# KiCad board panel.kicad_pcb (continued)
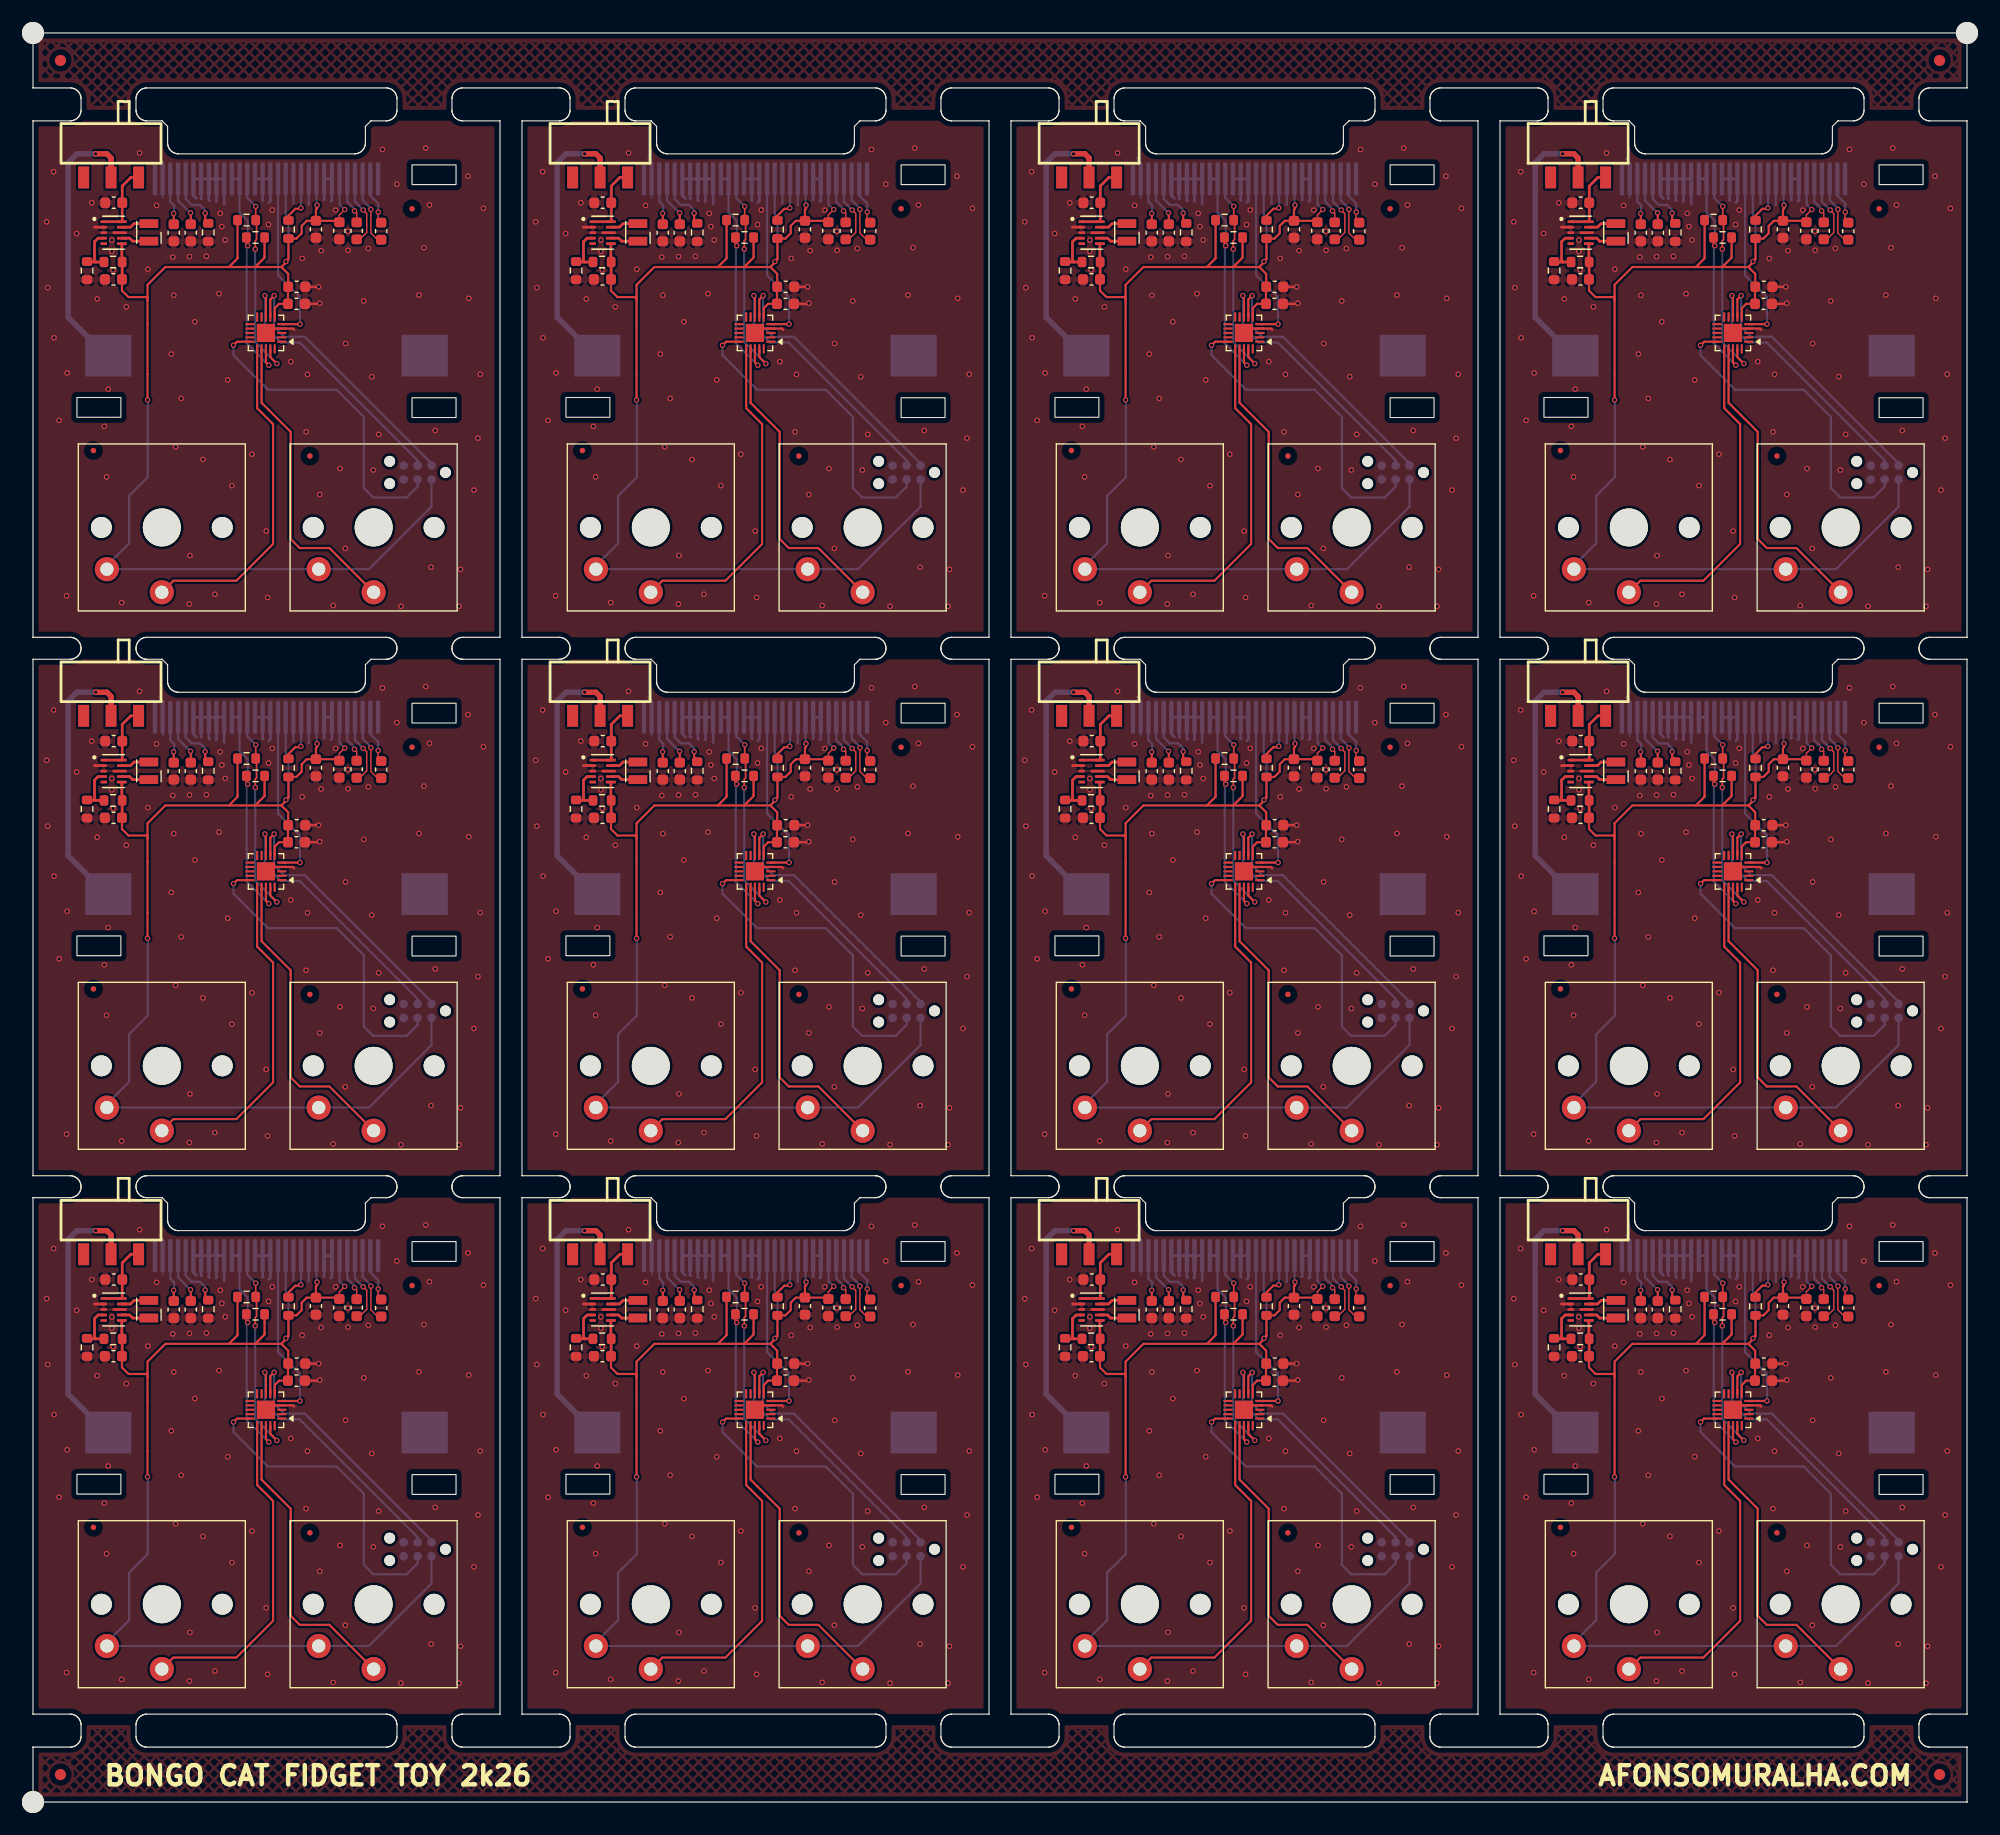
[diagram p0: board, top side]
## Routing (per net, layer and track width the routed paths; a pad name or vN(x,y) marks a point on that pad's centre or on a via; arc(x,y) is an arc through that point) (continued)
Board_7-Net-(BT1-+): length 25.3
  Top w0.5: v1(139.2,101) 140.22,101 140.61,100.62 SW5#10.2
  Bottom w0.5: v1(139.2,101) 137.5,101 136.7,100.2 136.7,86.12 140.19,82.63 BT1#9.1
Board_7-Net-(J1-Pin_2): length 4.3
  Top w0.127: v1(164.92,95.7) 164.9,95.68 164.9,94.73
  Bottom w0.2: J1#7.2 164.2,97.2 164.92,96.48 v1(164.92,95.7)
Board_7-Net-(J1-Pin_3): length 6.4
  Top w0.127: v1(164.25,95.95) 164.25,93.79 164.85,93.19 C9#5.1
  Bottom w0.2: v1(164.25,95.95) 164.25,96.04 163.5,96.79 J1#7.3
Board_7-Net-(J1-Pin_4): length 6.5
  Top w0.127: C8.2 163.25,93.22 163.87,93.84 163.87,95.57 v1(163.55,95.89)
  Bottom w0.2: v1(163.55,95.89) 163.55,95.9 162.8,96.65 J1#7.4
Board_7-Net-(J1-Pin_5): length 4.3
  Top w0.127: v1(162.76,95.81) 162.96,95.61 C8.1
  Bottom w0.2: J1#7.5 162.1,96.65 162.76,95.99 v1(162.76,95.81)
Board_7-Net-(J1-Pin_26): length 5
  Top w0.15: 149.17,94.9 149.15,94.88
  Top w0.2: v1(149.17,95.6) 149.17,94.9
  Bottom w0.2: v1(149.17,95.6) 149.17,95.88 148.7,96.35 147.95,96.35 147.4,96.9 J1#7.26
Board_7-Net-(J1-Pin_27): length 4.6
  Top w0.15: 147.86,95.61 v1(147.84,95.63)
  Top w0.2: C12#6.2 147.86,95.61
  Bottom w0.2: J1#7.27 146.7,96.75 147.82,95.63 v1(147.84,95.63)
Board_7-Net-(J1-Pin_28): length 4.3
  Top w0.15: 146.31,95.57 v1(146.3,95.58)
  Top w0.2: C13#4.2 146.31,95.57
  Bottom w0.2: v1(146.3,95.58) 146.35,95.63 146.35,96.3 146,96.65 J1#7.28
Board_7-Net-(SW5-A): length 6.7
  Top w0.25: SW5#10.3 142.4,98.85 141.62,98.08 C1#9.1 141.62,94.86 U101#11.10 U101#11.1
Board_7-Net-(U101-FB): length 4.4
  Top w0.25: R6#3.2 139.22,91.16 ; 139.22,91.16 138.47,91.16 R4#8.1 ; 139.22,91.16 139.1,91.28 139.1,93 139.43,93.33 U101#11.4
Board_7-Net-(U101-L1): length 2.6
  Top w0.25: L102#9.1 142.7,94.65 142.38,94.33 U101#11.9
Board_7-Net-(U101-L2): length 2.6
  Top w0.25: U101#11.7 142.3,93.33 142.57,93.05 142.57,93.05 L102#9.2
Board_8-3V3: length 120.2
  Top w0.127: 27.88,45.54 C10#8.2 27.88,46.44 v1(28.37,46.93)
  Top w0.2: 22.6,41.7 23.22,41.08 C3#7.1 23.2,39.88 C4#6.1 22.4,38.35 22,37.95 U2#6.6 ; 22.6,41.7 20.22,41.7 ; 22.6,41.7 23.02,42.12 v1(23.02,42.2) 23.25,42.43 R101#8.2 ; C11.2 25.75,46.92 25.85,47.02 v1(25.85,47.33) ; C11.2 25.75,45.89 ; C11.2 27.75,45.91 C10#8.2 ; C11.2 24.92,45.91 24.45,45.44 24.45,44.77 23.97,44.29 R101#8.2 ; 17.83,41.7 20.22,41.7 ; 17.83,41.7 12.05,41.7 10.42,40.08 10.42,38.65 ; 17.83,41.7 18.61,42.49 R13#11.2 ; 20.22,41.7 21.08,42.55 R12#7.2 ; 23.22,44.27 R101#8.2 ; v1(10.42,29.6) 10.42,38.96 8.69,38.96 8.1,39.55 C2#5.1 ; 27.88,45.54 27.79,45.63
  Top w0.25: 8.08,40.58 C2#5.1 8.11,40.59 R6#11.1 8.09,42.18 U101#9.6
  Bottom w0.2: J1#4.9 25.8,47.38 v1(25.85,47.33) ; v1(10.42,29.6) 10.45,29.58 10.45,22.58 8.75,20.88 8.75,16.55 6.72,14.53 SW1#3.2 SW2#2.2 30.57,14.2 36.27,19.9 J4#4.1 ; J1#4.6 27.9,47.4 v1(28.37,46.93) ; v1(23.02,42.2) 23.25,42.43 23.25,45.95 23,46.2 J1#4.13
Board_8-/BS1: length 4.5
  Top w0.2: R101#8.1 23.25,46.38 23.88,47 24.3,47 v1(24.38,47.08)
  Bottom w0.2: J1#4.11 24.4,47.45 24.38,47.43 v1(24.38,47.08)
Board_8-/OLED_RST: length 15.7
  Top w0.2: U2#6.5 v1(24.3,36.5)
  Bottom w0.2: v1(24.3,36.5) 24.3,38.95 22.3,40.95 J1#4.14
Board_8-/RST: length 29.5
  Top w0.2: v1(18.25,34.58) 18.57,34.9 U2#6.15
  Bottom w0.2: J4#4.3 35,21.72 34.01,20.73 30.96,20.73 30.11,21.58 30.11,28.06 27.64,30.53 21.39,30.53 18.25,33.67 v1(18.25,34.58)
Board_8-/SCL: length 19.8
  Top w0.127: v1(20.23,43.33) 20.15,43.41
  Top w0.152: v1(20.27,47.22) 20.27,46.06 20.34,45.98 20.34,44.21 20.23,44.09 v1(20.23,43.33)
  Top w0.2: U2#6.19 21.6,33.5 v1(22.19,32.91)
  Bottom w0.15: 20.2,43.45 20.22,43.43
  Bottom w0.2: v1(22.19,32.91) 20.23,34.87 v1(20.23,43.33) ; J1#4.18 19.5,47.99 v1(20.27,47.22)
Board_8-/SDA: length 21.4
  Top w0.127: 19.55,44.56 19.64,44.65
  Top w0.152: v1(19.54,43.64) 19.42,43.76 R12#7.1
  Top w0.2: v1(21.46,32.76) 21.2,33.02 U2#6.18
  Bottom w0.127: 19.52,43.63 19.5,43.65
  Bottom w0.2: v1(21.46,32.76) 19.45,34.77 19.45,43.55 v1(19.54,43.64) ; v1(19.54,43.64) 19.54,45.91 18.8,46.65 J1#4.19 ; v1(19.54,43.64) 19.54,43.59
  Bottom w0.25: J1#4.20 J1#4.19
Board_8-/SW1: length 30.3
  Top w0.2: U2#6.16 20.4,28.85 21.85,27.4 21.85,16.49 18.51,13.15 12.78,13.15 SW1#3.1
Board_8-/SW2: length 28
  Top w0.2: U2#6.17 20.8,29.35 23.45,26.7 23.45,16.95 24.28,16.13 26.97,16.13 SW2#2.1
Board_8-/SWCLK: length 24.2
  Top w0.2: U2#6.8 21.2,39 v1(21.1,39.1)
  Bottom w0.2: J4#4.4 35,24.1 24.28,34.83 22.58,34.83 21.1,36.3 v1(21.1,39.1)
Board_8-/SWDIO: length 24.6
  Top w0.2: U2#6.7 21.6,38.75 v1(21.95,39.1)
  Bottom w0.2: v1(21.95,39.1) 21.95,36.25 22.85,35.35 24.74,35.35 36.27,23.82 J4#4.2
Board_8-GND: length 38.1
  Top w0.2: v1(26.1,38.4) 26.05,38.35 C4#6.2 ; U2#6.21 21.6,36.1 U2#6.4 23.65,36.1 23.77,35.98 ; C3#7.2 v1(26,39.9)
  Top w0.25: 5.6,45.33 U101#9.2 ; 6.5,40.39 6.58,40.31
  Bottom w0.127: 11.8,48 11.8,51.25 11.45,51.6 ; 28.51,43.22 28.6,43.31
  Bottom w0.2: 25.08,47.35 25.1,47.38 J1#4.10 ; J1#4.12 23.7,47.53 23.67,47.5
  Bottom w0.25: 17.4,47.43 J1#4.21 J1#4.22 ; 27.1,47.68 27.2,47.78 J1#4.7 J1#4.8 26.5,47.83 26.47,47.8 ; 14.88,47.93 14.6,48.2 J1#4.25 J1#4.24 ; 21.45,47.58 21.6,47.73 J1#4.15 J1#4.16 ; J1#4.23 16,47.8 16.08,47.73 ; J1#4.23 J1#4.24 ; J1#4.23 J1#4.22 ; J1#4.17 J1#4.16 ; J1#4.16 20.9,47.8 20.95,47.75 ; J1#4.24 15.3,47.95 15.35,47.9 ; J1#4.22 16.7,47.73 16.65,47.68
  vias: v1(1.25,45.81) v1(1.35,39.82) v1(1.88,50.38) v1(1.92,35.26) v1(2.38,27.74) v1(3.11,32.06) v1(3.06,11.78) v1(3.97,44.75) v1(5.35,47.55) v1(5.85,38.8) v1(6.49,27.2) v1(6.7,22.6) v1(6.85,30.58) v1(7.17,44.15) v1(7.17,43.13) v1(7.3,41.43) v1(8.07,11.16) v1(8.5,38.08) v1(9.7,52.08) v1(10.45,41.5) v1(11.25,47.3) v1(12.59,33.78) v1(12.72,42.6) v1(12.82,39.13) v1(12.99,25.33) v1(13.49,29.74) v1(14.23,11.02) v1(14.25,42.65) v1(14.29,15.44) v1(14.73,36.72) v1(15.47,24.18) v1(15.78,42.68) v1(16.56,11.92) v1(16.93,39.27) v1(17.04,46.58) v1(17.19,45.38) v1(17.49,44.16) v1(17.72,31.43) v1(18.1,21.8) v1(19.92,24.66) v1(21.22,17.67) v1(21.35,11.62) v1(21.44,45.56) v1(21.77,46.89) v1(23.46,33.09) v1(24.5,42.48) v1(24.85,26.7) v1(24.98,31.93) v1(26.1,21) v1(26.22,43.19) v1(27.32,10.89) v1(27.55,46.88) v1(27.94,23.36) v1(28.42,16.09) v1(28.45,34.74) v1(28.65,44.95) v1(28.68,43.22) v1(30.1,38.61) v1(30.52,43.39) v1(30.83,31.72) v1(30.97,23.22) v1(31.46,26.47) v1(31.8,52.4) v1(33.11,49.24) v1(33.49,10.82) v1(35.12,39.15) v1(35.58,43.46) v1(35.74,52.52) v1(36.08,47.35) v1(36.23,14.38) v1(36.61,26.82) v1(38.77,10.82) v1(38.91,14.18) v1(39.58,49.97) v1(39.66,38.85) v1(40.12,21.4) v1(40.5,26.12) v1(40.7,31.94) v1(40.99,47.04)
Board_8-Net-(BT1-+): length 25.3
  Top w0.5: SW5#4.2 7.11,51.62 6.72,52 v1(5.7,52)
  Bottom w0.5: BT1#3.1 6.69,33.63 3.2,37.12 3.2,51.2 4,52 v1(5.7,52)
Board_8-Net-(J1-Pin_2): length 4.3
  Top w0.127: 31.4,45.73 31.4,46.68 v1(31.42,46.7)
  Bottom w0.2: J1#4.2 30.7,48.2 31.42,47.48 v1(31.42,46.7)
Board_8-Net-(J1-Pin_3): length 6.4
  Top w0.127: C9#4.1 31.36,44.19 30.75,44.79 v1(30.75,46.95)
  Bottom w0.2: J1#4.3 30,47.79 30.75,47.04 v1(30.75,46.95)
Board_8-Net-(J1-Pin_4): length 6.5
  Top w0.127: v1(30.05,46.89) 30.37,46.57 30.37,44.84 29.75,44.22 C8#6.2
  Bottom w0.2: v1(30.05,46.89) 30.05,46.9 29.3,47.65 J1#4.4
Board_8-Net-(J1-Pin_5): length 4.3
  Top w0.127: v1(29.26,46.81) 29.46,46.61 C8#6.1
  Bottom w0.2: J1#4.5 28.6,47.65 29.26,46.99 v1(29.26,46.81)
Board_8-Net-(J1-Pin_26): length 5
  Top w0.15: 15.67,45.9 15.65,45.88
  Top w0.2: v1(15.67,46.6) 15.67,45.9
  Bottom w0.2: v1(15.67,46.6) 15.67,46.88 15.2,47.35 14.45,47.35 13.9,47.9 J1#4.26
Board_8-Net-(J1-Pin_27): length 4.6
  Top w0.15: 14.36,46.61 v1(14.34,46.63)
  Top w0.2: C12#10.2 14.36,46.61
  Bottom w0.2: v1(14.34,46.63) 14.32,46.63 13.2,47.75 J1#4.27
Board_8-Net-(J1-Pin_28): length 4.3
  Top w0.15: 12.81,46.57 v1(12.8,46.58)
  Top w0.2: C13#2.2 12.81,46.57
  Bottom w0.2: v1(12.8,46.58) 12.85,46.63 12.85,47.3 12.5,47.65 J1#4.28
Board_8-Net-(SW5-A): length 6.7
  Top w0.25: U101#9.1 U101#9.10 8.12,45.86 C1#10.1 8.12,49.08 8.9,49.85 SW5#4.3
Board_8-Net-(U101-FB): length 4.4
  Top w0.25: 5.72,42.16 5.6,42.28 5.6,44 5.92,44.33 U101#9.4 ; 5.72,42.16 4.97,42.16 R4#2.1 ; 5.72,42.16 R6#11.2
Board_8-Net-(U101-L1): length 2.6
  Top w0.25: U101#9.9 8.88,45.33 9.2,45.65 L102#2.1
Board_8-Net-(U101-L2): length 2.6
  Top w0.25: U101#9.7 8.8,44.33 9.08,44.05 9.07,44.05 L102#2.2
Board_9-3V3: length 120.2
  Top w0.127: v1(72.87,46.93) 72.38,46.44 C10#4.2 72.38,45.54
  Top w0.2: v1(54.92,29.6) 54.92,38.96 53.19,38.96 52.6,39.55 C2#9.1 ; C10#4.2 72.25,45.91 C11#5.2 ; 72.38,45.54 72.29,45.63 ; 64.72,41.7 67.1,41.7 ; 64.72,41.7 65.58,42.55 R12#5.2 ; 64.72,41.7 62.33,41.7 ; v1(70.35,47.33) 70.35,47.02 70.25,46.92 C11#5.2 ; 67.1,41.7 67.52,42.12 v1(67.52,42.2) 67.75,42.43 R101.2 ; 67.1,41.7 67.72,41.08 C3#4.1 67.7,39.88 C4#2.1 66.9,38.35 66.5,37.95 U2#11.6 ; C11#5.2 70.25,45.89 ; C11#5.2 69.41,45.91 68.95,45.44 68.95,44.77 68.47,44.29 R101.2 ; 54.92,38.65 54.92,40.08 56.55,41.7 62.33,41.7 ; R101.2 67.72,44.27 ; R13#9.2 63.11,42.49 62.33,41.7
  Top w0.25: 52.58,40.58 C2#9.1 52.61,40.59 R6#10.1 52.59,42.18 U101#2.6
  Bottom w0.2: v1(70.35,47.33) 70.3,47.38 J1#6.9 ; J1#6.6 72.4,47.4 v1(72.87,46.93) ; v1(67.52,42.2) 67.75,42.43 67.75,45.95 67.5,46.2 J1#6.13 ; v1(54.92,29.6) 54.95,29.58 54.95,22.58 53.25,20.88 53.25,16.55 51.22,14.53 SW1#7.2 SW2#4.2 75.07,14.2 80.77,19.9 J4#8.1
Board_9-/BS1: length 4.5
  Top w0.2: R101.1 67.75,46.38 68.38,47 68.8,47 v1(68.88,47.08)
  Bottom w0.2: J1#6.11 68.9,47.45 68.88,47.43 v1(68.88,47.08)
Board_9-/OLED_RST: length 15.7
  Top w0.2: U2#11.5 v1(68.8,36.5)
  Bottom w0.2: J1#6.14 66.8,40.95 68.8,38.95 v1(68.8,36.5)
Board_9-/RST: length 29.5
  Top w0.2: U2#11.15 63.07,34.9 v1(62.75,34.58)
  Bottom w0.2: J4#8.3 79.5,21.72 78.51,20.73 75.46,20.73 74.61,21.58 74.61,28.06 72.14,30.53 65.89,30.53 62.75,33.67 v1(62.75,34.58)
Board_9-/SCL: length 19.8
  Top w0.127: v1(64.73,43.33) 64.65,43.41
  Top w0.152: v1(64.73,43.33) 64.73,44.09 64.84,44.21 64.84,45.98 64.77,46.06 v1(64.77,47.22)
  Top w0.2: U2#11.19 66.1,33.5 v1(66.69,32.91)
  Bottom w0.15: 64.7,43.45 64.72,43.43
  Bottom w0.2: v1(64.73,43.33) 64.73,34.87 v1(66.69,32.91) ; J1#6.18 64,47.99 v1(64.77,47.22)
Board_9-/SDA: length 21.4
  Top w0.127: 64.05,44.56 64.14,44.65
  Top w0.152: v1(64.04,43.64) 63.92,43.76 R12#5.1
  Top w0.2: U2#11.18 65.7,33.02 v1(65.96,32.76)
  Bottom w0.127: 64.02,43.63 64,43.65
  Bottom w0.2: v1(64.04,43.64) 64.04,45.91 63.3,46.65 J1#6.19 ; v1(64.04,43.64) 64.04,43.59 ; v1(64.04,43.64) 63.95,43.55 63.95,34.77 v1(65.96,32.76)
  Bottom w0.25: J1#6.20 J1#6.19
Board_9-/SW1: length 30.3
  Top w0.2: U2#11.16 64.9,28.85 66.35,27.4 66.35,16.49 63.01,13.15 57.28,13.15 SW1#7.1
Board_9-/SW2: length 28
  Top w0.2: SW2#4.1 71.47,16.13 68.78,16.13 67.95,16.95 67.95,26.7 65.3,29.35 U2#11.17
Board_9-/SWCLK: length 24.2
  Top w0.2: U2#11.8 65.7,39 v1(65.6,39.1)
  Bottom w0.2: J4#8.4 79.5,24.1 68.78,34.83 67.08,34.83 65.6,36.3 v1(65.6,39.1)
Board_9-/SWDIO: length 24.6
  Top w0.2: U2#11.7 66.1,38.75 v1(66.45,39.1)
  Bottom w0.2: J4#8.2 80.77,23.82 69.24,35.35 67.35,35.35 66.45,36.25 v1(66.45,39.1)
Board_9-GND: length 38.1
  Top w0.2: C3#4.2 v1(70.5,39.9) ; U2#11.21 66.1,36.1 U2#11.4 68.15,36.1 68.27,35.98 ; C4#2.2 70.55,38.35 v1(70.6,38.4)
  Top w0.25: 51,40.39 51.08,40.31 ; 50.1,45.33 U101#2.2
  Bottom w0.127: 56.3,48 56.3,51.25 55.95,51.6 ; 73.01,43.22 73.1,43.31
  Bottom w0.2: 68.18,47.5 68.2,47.53 J1#6.12 ; J1#6.10 69.6,47.38 69.57,47.35
  Bottom w0.25: J1#6.24 J1#6.25 59.1,48.2 59.38,47.93 ; J1#6.24 J1#6.23 ; J1#6.24 59.8,47.95 59.85,47.9 ; J1#6.23 60.5,47.8 60.58,47.73 ; J1#6.23 J1#6.22 ; J1#6.22 61.2,47.73 61.15,47.68 ; J1#6.22 J1#6.21 61.9,47.43 ; 71.6,47.68 71.7,47.78 J1#6.7 J1#6.8 71,47.83 70.97,47.8 ; 65.95,47.58 66.1,47.73 J1#6.15 J1#6.16 ; J1#6.17 J1#6.16 ; J1#6.16 65.4,47.8 65.45,47.75
  vias: v1(45.75,45.81) v1(45.85,39.82) v1(46.38,50.38) v1(46.42,35.26) v1(46.88,27.74) v1(47.61,32.06) v1(47.56,11.78) v1(48.47,44.75) v1(49.85,47.55) v1(50.35,38.8) v1(50.99,27.2) v1(51.2,22.6) v1(51.35,30.58) v1(51.67,44.15) v1(51.67,43.13) v1(51.8,41.43) v1(52.57,11.16) v1(53,38.08) v1(54.2,52.08) v1(54.95,41.5) v1(55.75,47.3) v1(57.09,33.78) v1(57.22,42.6) v1(57.32,39.13) v1(57.49,25.33) v1(57.99,29.74) v1(58.75,42.65) v1(58.73,11.02) v1(58.79,15.44) v1(59.23,36.72) v1(59.97,24.18) v1(60.28,42.68) v1(61.06,11.92) v1(61.43,39.27) v1(61.54,46.58) v1(61.69,45.38) v1(61.99,44.16) v1(62.22,31.43) v1(62.6,21.8) v1(64.42,24.66) v1(65.72,17.67) v1(65.85,11.62) v1(65.94,45.56) v1(66.27,46.89) v1(67.96,33.09) v1(69,42.48) v1(69.35,26.7) v1(69.48,31.93) v1(70.6,21) v1(70.72,43.19) v1(71.82,10.89) v1(72.05,46.88) v1(72.44,23.36) v1(72.95,34.74) v1(72.92,16.09) v1(73.15,44.95) v1(73.18,43.22) v1(74.6,38.61) v1(75.02,43.39) v1(75.33,31.72) v1(75.47,23.22) v1(75.96,26.47) v1(76.3,52.4) v1(77.61,49.24) v1(77.99,10.82) v1(79.62,39.15) v1(80.08,43.46) v1(80.24,52.52) v1(80.58,47.35) v1(80.73,14.38) v1(81.11,26.82) v1(83.27,10.82) v1(83.41,14.18) v1(84.08,49.97) v1(84.16,38.85) v1(84.62,21.4) v1(85,26.12) v1(85.2,31.94) v1(85.49,47.04)
Board_9-Net-(BT1-+): length 25.3
  Top w0.5: SW5#3.2 51.61,51.62 51.22,52 v1(50.2,52)
  Bottom w0.5: v1(50.2,52) 48.5,52 47.7,51.2 47.7,37.12 51.19,33.63 BT1#8.1
Board_9-Net-(J1-Pin_2): length 4.3
  Top w0.127: 75.9,45.73 75.9,46.68 v1(75.92,46.7)
  Bottom w0.2: J1#6.2 75.2,48.2 75.92,47.48 v1(75.92,46.7)
Board_9-Net-(J1-Pin_3): length 6.4
  Top w0.127: C9#2.1 75.85,44.19 75.25,44.79 v1(75.25,46.95)
  Bottom w0.2: v1(75.25,46.95) 75.25,47.04 74.5,47.79 J1#6.3
Board_9-Net-(J1-Pin_4): length 6.5
  Top w0.127: C8#11.2 74.25,44.22 74.87,44.84 74.87,46.57 v1(74.55,46.89)
  Bottom w0.2: J1#6.4 73.8,47.65 74.55,46.9 v1(74.55,46.89)
Board_9-Net-(J1-Pin_5): length 4.3
  Top w0.127: v1(73.76,46.81) 73.96,46.61 C8#11.1
  Bottom w0.2: v1(73.76,46.81) 73.76,46.99 73.1,47.65 J1#6.5
Board_9-Net-(J1-Pin_26): length 5
  Top w0.15: 60.17,45.9 60.15,45.88
  Top w0.2: v1(60.17,46.6) 60.17,45.9
  Bottom w0.2: v1(60.17,46.6) 60.17,46.88 59.7,47.35 58.95,47.35 58.4,47.9 J1#6.26
Board_9-Net-(J1-Pin_27): length 4.6
  Top w0.15: 58.86,46.61 v1(58.84,46.63)
  Top w0.2: C12#3.2 58.86,46.61
  Bottom w0.2: v1(58.84,46.63) 58.82,46.63 57.7,47.75 J1#6.27
Board_9-Net-(J1-Pin_28): length 4.3
  Top w0.15: 57.31,46.57 v1(57.3,46.58)
  Top w0.2: C13#11.2 57.31,46.57
  Bottom w0.2: J1#6.28 57,47.65 57.35,47.3 57.35,46.63 v1(57.3,46.58)
Board_9-Net-(SW5-A): length 6.7
  Top w0.25: U101#2.1 U101#2.10 52.62,45.86 C1#3.1 52.62,49.08 53.4,49.85 SW5#3.3
Board_9-Net-(U101-FB): length 4.4
  Top w0.25: 50.22,42.16 50.1,42.28 50.1,44 50.42,44.33 U101#2.4 ; 50.22,42.16 49.47,42.16 R4#11.1 ; 50.22,42.16 R6#10.2
Board_9-Net-(U101-L1): length 2.6
  Top w0.25: U101#2.9 53.38,45.33 53.7,45.65 L102#12.1
Board_9-Net-(U101-L2): length 2.6
  Top w0.25: L102#12.2 53.57,44.05 53.58,44.05 53.3,44.33 U101#2.7
Board_10-3V3: length 120.2
  Top w0.127: 116.88,45.54 C10#12.2 116.88,46.44 v1(117.37,46.93)
  Top w0.2: C11#9.2 114.75,46.92 114.85,47.02 v1(114.85,47.33) ; C11#9.2 116.75,45.91 C10#12.2 ; C11#9.2 114.75,45.89 ; C11#9.2 113.91,45.91 113.45,45.44 113.45,44.77 112.97,44.29 R101#10.2 ; 106.82,41.7 107.62,42.49 R13#10.2 ; 106.82,41.7 109.22,41.7 ; 106.82,41.7 101.05,41.7 99.43,40.08 99.43,38.65 ; C2.1 97.1,39.55 97.69,38.96 99.43,38.96 v1(99.43,29.6) ; 109.22,41.7 110.07,42.55 R12#3.2 ; 109.22,41.7 111.6,41.7 ; R101#10.2 112.25,42.43 v1(112.02,42.2) 112.02,42.12 111.6,41.7 ; R101#10.2 112.22,44.27 ; 111.6,41.7 112.22,41.08 C3#10.1 112.2,39.88 C4#8.1 111.4,38.35 111,37.95 U2#2.6 ; 116.88,45.54 116.79,45.63
  Top w0.25: 97.07,40.58 C2.1 97.12,40.59 97.12,42.16 97.09,42.18 U101#7.6
  Bottom w0.2: J1#8.9 114.8,47.38 v1(114.85,47.33) ; J1#8.6 116.9,47.4 v1(117.37,46.93) ; v1(112.02,42.2) 112.25,42.43 112.25,45.95 112,46.2 J1#8.13 ; v1(99.43,29.6) 99.45,29.58 99.45,22.58 97.75,20.88 97.75,16.55 95.72,14.53 SW1#12.2 SW2#11.2 119.57,14.2 125.27,19.9 J4#5.1
Board_10-/BS1: length 4.5
  Top w0.2: v1(113.38,47.08) 113.3,47 112.88,47 112.25,46.38 R101#10.1
  Bottom w0.2: v1(113.38,47.08) 113.38,47.43 113.4,47.45 J1#8.11
Board_10-/OLED_RST: length 15.7
  Top w0.2: U2#2.5 v1(113.3,36.5)
  Bottom w0.2: v1(113.3,36.5) 113.3,38.95 111.3,40.95 J1#8.14
Board_10-/RST: length 29.5
  Top w0.2: U2#2.15 107.57,34.9 v1(107.25,34.58)
  Bottom w0.2: v1(107.25,34.58) 107.25,33.67 110.39,30.53 116.64,30.53 119.11,28.06 119.11,21.58 119.96,20.73 123.01,20.73 124,21.72 J4#5.3
Board_10-/SCL: length 19.8
  Top w0.127: v1(109.23,43.33) 109.15,43.41
  Top w0.152: v1(109.23,43.33) 109.23,44.09 109.34,44.21 109.34,45.98 109.27,46.06 v1(109.27,47.22)
  Top w0.2: U2#2.19 110.6,33.5 v1(111.19,32.91)
  Bottom w0.15: 109.2,43.45 109.22,43.43
  Bottom w0.2: v1(109.23,43.33) 109.23,34.87 v1(111.19,32.91) ; v1(109.27,47.22) 108.5,47.99 J1#8.18
Board_10-/SDA: length 21.4
  Top w0.127: 108.55,44.56 108.64,44.65
  Top w0.152: R12#3.1 108.43,43.76 v1(108.54,43.64)
  Top w0.2: U2#2.18 110.2,33.02 v1(110.46,32.76)
  Bottom w0.127: 108.52,43.63 108.5,43.65
  Bottom w0.2: J1#8.19 107.8,46.65 108.54,45.91 v1(108.54,43.64) ; v1(110.46,32.76) 108.45,34.77 108.45,43.55 v1(108.54,43.64) ; v1(108.54,43.64) 108.54,43.59
  Bottom w0.25: J1#8.20 J1#8.19
Board_10-/SW1: length 30.3
  Top w0.2: U2#2.16 109.4,28.85 110.85,27.4 110.85,16.49 107.51,13.15 101.78,13.15 SW1#12.1
Board_10-/SW2: length 28
  Top w0.2: U2#2.17 109.8,29.35 112.45,26.7 112.45,16.95 113.28,16.13 115.97,16.13 SW2#11.1
Board_10-/SWCLK: length 24.2
  Top w0.2: v1(110.1,39.1) 110.2,39 U2#2.8
  Bottom w0.2: v1(110.1,39.1) 110.1,36.3 111.57,34.83 113.28,34.83 124,24.1 J4#5.4
Board_10-/SWDIO: length 24.6
  Top w0.2: U2#2.7 110.6,38.75 v1(110.95,39.1)
  Bottom w0.2: J4#5.2 125.27,23.82 113.74,35.35 111.85,35.35 110.95,36.25 v1(110.95,39.1)
Board_10-GND: length 38.1
  Top w0.2: U2#2.21 110.6,36.1 U2#2.4 112.65,36.1 112.77,35.98 ; C3#10.2 v1(115,39.9) ; C4#8.2 115.05,38.35 v1(115.1,38.4)
  Top w0.25: 95.5,40.39 95.58,40.31 ; 94.6,45.33 U101#7.2
  Bottom w0.127: 117.51,43.22 117.6,43.31 ; 100.8,48 100.8,51.25 100.45,51.6
  Bottom w0.2: J1#8.10 114.1,47.38 114.07,47.35 ; J1#8.12 112.7,47.53 112.68,47.5
  Bottom w0.25: J1#8.16 109.9,47.8 109.95,47.75 ; J1#8.16 J1#8.15 110.6,47.73 110.45,47.58 ; J1#8.16 J1#8.17 ; 116.1,47.68 116.2,47.78 J1#8.7 J1#8.8 115.5,47.83 115.47,47.8 ; 103.88,47.93 103.6,48.2 J1#8.25 J1#8.24 ; 106.4,47.43 J1#8.21 J1#8.22 ; J1#8.24 104.3,47.95 104.35,47.9 ; J1#8.24 J1#8.23 ; J1#8.23 J1#8.22 ; J1#8.23 105,47.8 105.07,47.73 ; J1#8.22 105.7,47.73 105.65,47.68
  vias: v1(90.25,45.81) v1(90.35,39.82) v1(90.88,50.38) v1(90.92,35.26) v1(91.38,27.74) v1(92.11,32.06) v1(92.06,11.78) v1(92.97,44.75) v1(94.35,47.55) v1(94.85,38.8) v1(95.49,27.2) v1(95.7,22.6) v1(95.85,30.58) v1(96.18,44.15) v1(96.18,43.13) v1(96.3,41.43) v1(97.07,11.16) v1(97.5,38.08) v1(98.7,52.08) v1(99.45,41.5) v1(100.25,47.3) v1(101.59,33.78) v1(101.72,42.6) v1(101.82,39.13) v1(101.99,25.33) v1(102.49,29.74) v1(103.23,11.02) v1(103.25,42.65) v1(103.29,15.44) v1(103.73,36.72) v1(104.47,24.18) v1(104.78,42.68) v1(105.56,11.92) v1(105.93,39.27) v1(106.04,46.58) v1(106.19,45.38) v1(106.49,44.16) v1(106.72,31.43) v1(107.1,21.8) v1(108.92,24.66) v1(110.22,17.67) v1(110.35,11.62) v1(110.44,45.56) v1(110.77,46.89) v1(112.46,33.09) v1(113.5,42.48) v1(113.85,26.7) v1(113.98,31.93) v1(115.1,21) v1(115.22,43.19) v1(116.32,10.89) v1(116.55,46.88) v1(116.94,23.36) v1(117.45,34.74) v1(117.42,16.09) v1(117.65,44.95) v1(117.68,43.22) v1(119.1,38.61) v1(119.52,43.39) v1(119.83,31.72) v1(119.97,23.22) v1(120.46,26.47) v1(120.8,52.4) v1(122.11,49.24) v1(122.49,10.82) v1(124.12,39.15) v1(124.58,43.46) v1(124.74,52.52) v1(125.08,47.35) v1(125.23,14.38) v1(125.61,26.82) v1(127.77,10.82) v1(127.91,14.18) v1(128.58,49.97) v1(128.66,38.85) v1(129.12,21.4) v1(129.5,26.12) v1(129.7,31.94) v1(129.99,47.04)
Board_10-Net-(BT1-+): length 25.3
  Top w0.5: SW5#2.2 96.11,51.62 95.72,52 v1(94.7,52)
  Bottom w0.5: v1(94.7,52) 93,52 92.2,51.2 92.2,37.12 95.69,33.63 BT1#10.1
Board_10-Net-(J1-Pin_2): length 4.3
  Top w0.127: 120.4,45.73 120.4,46.68 v1(120.42,46.7)
  Bottom w0.2: v1(120.42,46.7) 120.42,47.48 119.7,48.2 J1#8.2
Board_10-Net-(J1-Pin_3): length 6.4
  Top w0.127: v1(119.75,46.95) 119.75,44.79 120.35,44.19 C9#3.1
  Bottom w0.2: v1(119.75,46.95) 119.75,47.04 119,47.79 J1#8.3
Board_10-Net-(J1-Pin_4): length 6.5
  Top w0.127: v1(119.05,46.89) 119.37,46.57 119.37,44.84 118.75,44.22 C8#8.2
  Bottom w0.2: J1#8.4 118.3,47.65 119.05,46.9 v1(119.05,46.89)
Board_10-Net-(J1-Pin_5): length 4.3
  Top w0.127: C8#8.1 118.46,46.61 v1(118.26,46.81)
  Bottom w0.2: J1#8.5 117.6,47.65 118.26,46.99 v1(118.26,46.81)
Board_10-Net-(J1-Pin_26): length 5
  Top w0.15: 104.67,45.9 104.65,45.88
  Top w0.2: v1(104.67,46.6) 104.67,45.9
  Bottom w0.2: J1#8.26 102.9,47.9 103.45,47.35 104.2,47.35 104.67,46.88 v1(104.67,46.6)
Board_10-Net-(J1-Pin_27): length 4.6
  Top w0.15: 103.36,46.61 v1(103.34,46.63)
  Top w0.2: C12#8.2 103.36,46.61
  Bottom w0.2: J1#8.27 102.2,47.75 103.32,46.63 v1(103.34,46.63)
Board_10-Net-(J1-Pin_28): length 4.3
  Top w0.15: 101.81,46.57 v1(101.8,46.58)
  Top w0.2: C13#7.2 101.81,46.57
  Bottom w0.2: v1(101.8,46.58) 101.85,46.63 101.85,47.3 101.5,47.65 J1#8.28
Board_10-Net-(SW5-A): length 6.7
  Top w0.25: SW5#2.3 97.9,49.85 97.12,49.08 C1#11.1 97.12,45.86 U101#7.10 U101#7.1
Board_10-Net-(U101-FB): length 4.4
  Top w0.25: U101#7.4 94.93,44.33 94.6,44 94.6,42.28 94.72,42.16 ; 94.72,42.16 93.97,42.16 R4#12.1 ; 94.72,42.16 R6#7.2
Board_10-Net-(U101-L1): length 2.6
  Top w0.25: U101#7.9 97.88,45.33 98.2,45.65 L102#4.1
Board_10-Net-(U101-L2): length 2.6
  Top w0.25: U101#7.7 97.8,44.33 98.07,44.05 98.07,44.05 L102#4.2
Board_11-3V3: length 120.2
  Top w0.127: 161.38,45.54 C10#9.2 161.38,46.44 v1(161.87,46.93)
  Top w0.2: R12#11.2 154.57,42.55 153.72,41.7 ; v1(159.35,47.33) 159.35,47.02 159.25,46.92 C11#3.2 ; 156.1,41.7 156.72,41.08 C3#3.1 156.7,39.88 C4#7.1 155.9,38.35 155.5,37.95 U2#10.6 ; 156.1,41.7 156.52,42.12 v1(156.52,42.2) 156.75,42.43 R101#7.2 ; 156.1,41.7 153.72,41.7 ; 143.93,38.65 143.93,40.08 145.55,41.7 151.32,41.7 ; C11#3.2 161.25,45.91 C10#9.2 ; C11#3.2 159.25,45.89 ; C11#3.2 158.41,45.91 157.95,45.44 157.95,44.77 157.47,44.29 R101#7.2 ; 151.32,41.7 152.12,42.49 R13#5.2 ; 151.32,41.7 153.72,41.7 ; 161.38,45.54 161.29,45.63 ; R101#7.2 156.72,44.27 ; v1(143.93,29.6) 143.93,38.96 142.19,38.96 141.6,39.55 C2#12.1
  Top w0.25: 141.57,40.58 C2#12.1 141.62,40.59 141.62,42.16 141.59,42.18 U101#10.6
  Bottom w0.2: v1(143.93,29.6) 143.95,29.58 143.95,22.58 142.25,20.88 142.25,16.55 140.22,14.53 SW1#10.2 SW2#12.2 164.07,14.2 169.77,19.9 J4#7.1 ; v1(161.87,46.93) 161.4,47.4 J1#3.6 ; J1#3.13 156.5,46.2 156.75,45.95 156.75,42.43 v1(156.52,42.2) ; v1(159.35,47.33) 159.3,47.38 J1#3.9
Board_11-/BS1: length 4.5
  Top w0.2: R101#7.1 156.75,46.38 157.38,47 157.8,47 v1(157.88,47.08)
  Bottom w0.2: v1(157.88,47.08) 157.88,47.43 157.9,47.45 J1#3.11
Board_11-/OLED_RST: length 15.7
  Top w0.2: U2#10.5 v1(157.8,36.5)
  Bottom w0.2: J1#3.14 155.8,40.95 157.8,38.95 v1(157.8,36.5)
Board_11-/RST: length 29.5
  Top w0.2: v1(151.75,34.58) 152.07,34.9 U2#10.15
  Bottom w0.2: v1(151.75,34.58) 151.75,33.67 154.89,30.53 161.14,30.53 163.61,28.06 163.61,21.58 164.46,20.73 167.51,20.73 168.5,21.72 J4#7.3
Board_11-/SCL: length 19.8
  Top w0.127: v1(153.73,43.33) 153.65,43.41
  Top w0.152: v1(153.73,43.33) 153.73,44.09 153.84,44.21 153.84,45.98 153.77,46.06 v1(153.77,47.22)
  Top w0.2: v1(155.69,32.91) 155.1,33.5 U2#10.19
  Bottom w0.15: 153.7,43.45 153.72,43.43
  Bottom w0.2: v1(153.73,43.33) 153.73,34.87 v1(155.69,32.91) ; J1#3.18 153,47.99 v1(153.77,47.22)
Board_11-/SDA: length 21.4
  Top w0.127: 153.05,44.56 153.14,44.65
  Top w0.152: v1(153.04,43.64) 152.93,43.76 R12#11.1
  Top w0.2: v1(154.96,32.76) 154.7,33.02 U2#10.18
  Bottom w0.127: 153.02,43.63 153,43.65
  Bottom w0.2: v1(153.04,43.64) 152.95,43.55 152.95,34.77 v1(154.96,32.76) ; v1(153.04,43.64) 153.04,43.59 ; v1(153.04,43.64) 153.04,45.91 152.3,46.65 J1#3.19
  Bottom w0.25: J1#3.20 J1#3.19
Board_11-/SW1: length 30.3
  Top w0.2: U2#10.16 153.9,28.85 155.35,27.4 155.35,16.49 152.01,13.15 146.28,13.15 SW1#10.1
Board_11-/SW2: length 28
  Top w0.2: U2#10.17 154.3,29.35 156.95,26.7 156.95,16.95 157.78,16.13 160.47,16.13 SW2#12.1
Board_11-/SWCLK: length 24.2
  Top w0.2: v1(154.6,39.1) 154.7,39 U2#10.8
  Bottom w0.2: J4#7.4 168.5,24.1 157.78,34.83 156.07,34.83 154.6,36.3 v1(154.6,39.1)
Board_11-/SWDIO: length 24.6
  Top w0.2: U2#10.7 155.1,38.75 v1(155.45,39.1)
  Bottom w0.2: J4#7.2 169.77,23.82 158.24,35.35 156.35,35.35 155.45,36.25 v1(155.45,39.1)
Board_11-GND: length 38.1
  Top w0.2: U2#10.21 155.1,36.1 U2#10.4 157.15,36.1 157.27,35.98 ; C4#7.2 159.55,38.35 v1(159.6,38.4) ; C3#3.2 v1(159.5,39.9)
  Top w0.25: 140,40.39 140.08,40.31 ; 139.1,45.33 U101#10.2
  Bottom w0.127: 162.01,43.22 162.1,43.31 ; 145.3,48 145.3,51.25 144.95,51.6
  Bottom w0.2: J1#3.12 157.2,47.53 157.18,47.5 ; J1#3.10 158.6,47.38 158.57,47.35
  Bottom w0.25: 160.6,47.68 160.7,47.78 J1#3.7 J1#3.8 160,47.83 159.97,47.8 ; 149.57,47.73 149.5,47.8 J1#3.23 ; J1#3.16 154.4,47.8 154.45,47.75 ; J1#3.16 J1#3.15 155.1,47.73 154.95,47.58 ; J1#3.16 J1#3.17 ; J1#3.24 148.8,47.95 148.85,47.9 ; J1#3.24 J1#3.23 ; J1#3.24 J1#3.25 148.1,48.2 148.38,47.93 ; J1#3.22 J1#3.21 150.9,47.43 ; J1#3.22 150.2,47.73 150.15,47.68 ; J1#3.22 J1#3.23
  vias: v1(134.75,45.81) v1(134.85,39.82) v1(135.38,50.38) v1(135.42,35.26) v1(135.88,27.74) v1(136.61,32.06) v1(136.56,11.78) v1(137.47,44.75) v1(138.85,47.55) v1(139.35,38.8) v1(139.99,27.2) v1(140.2,22.6) v1(140.35,30.58) v1(140.68,44.15) v1(140.68,43.13) v1(140.8,41.43) v1(141.57,11.16) v1(142,38.08) v1(143.2,52.08) v1(143.95,41.5) v1(144.75,47.3) v1(146.09,33.78) v1(146.22,42.6) v1(146.32,39.13) v1(146.49,25.33) v1(146.99,29.74) v1(147.75,42.65) v1(147.73,11.02) v1(147.79,15.44) v1(148.23,36.72) v1(148.97,24.18) v1(149.28,42.68) v1(150.06,11.92) v1(150.43,39.27) v1(150.54,46.58) v1(150.69,45.38) v1(150.99,44.16) v1(151.22,31.43) v1(151.6,21.8) v1(153.42,24.66) v1(154.72,17.67) v1(154.85,11.62) v1(154.94,45.56) v1(155.27,46.89) v1(156.96,33.09) v1(158,42.48) v1(158.35,26.7) v1(158.48,31.93) v1(159.6,21) v1(159.72,43.19) v1(160.82,10.89) v1(161.05,46.88) v1(161.44,23.36) v1(161.95,34.74) v1(161.92,16.09) v1(162.15,44.95) v1(162.18,43.22) v1(163.6,38.61) v1(164.02,43.39) v1(164.33,31.72) v1(164.47,23.22) v1(164.96,26.47) v1(165.3,52.4) v1(166.61,49.24) v1(166.99,10.82) v1(168.62,39.15) v1(169.08,43.46) v1(169.24,52.52) v1(169.58,47.35) v1(169.73,14.38) v1(170.11,26.82) v1(172.27,10.82) v1(172.41,14.18) v1(173.08,49.97) v1(173.16,38.85) v1(173.62,21.4) v1(174,26.12) v1(174.2,31.94) v1(174.49,47.04)
Board_11-Net-(BT1-+): length 25.3
  Top w0.5: SW5#7.2 140.61,51.62 140.22,52 v1(139.2,52)
  Bottom w0.5: v1(139.2,52) 137.5,52 136.7,51.2 136.7,37.12 140.19,33.63 BT1#7.1
Board_11-Net-(J1-Pin_2): length 4.3
  Top w0.127: 164.9,45.73 164.9,46.68 v1(164.92,46.7)
  Bottom w0.2: v1(164.92,46.7) 164.92,47.48 164.2,48.2 J1#3.2
Board_11-Net-(J1-Pin_3): length 6.4
  Top w0.127: C9#7.1 164.85,44.19 164.25,44.79 v1(164.25,46.95)
  Bottom w0.2: v1(164.25,46.95) 164.25,47.04 163.5,47.79 J1#3.3
Board_11-Net-(J1-Pin_4): length 6.5
  Top w0.127: v1(163.55,46.89) 163.87,46.57 163.87,44.84 163.25,44.22 C8#2.2
  Bottom w0.2: J1#3.4 162.8,47.65 163.55,46.9 v1(163.55,46.89)
Board_11-Net-(J1-Pin_5): length 4.3
  Top w0.127: C8#2.1 162.96,46.61 v1(162.76,46.81)
  Bottom w0.2: v1(162.76,46.81) 162.76,46.99 162.1,47.65 J1#3.5
Board_11-Net-(J1-Pin_26): length 5
  Top w0.15: 149.17,45.9 149.15,45.88
  Top w0.2: v1(149.17,46.6) 149.17,45.9
  Bottom w0.2: J1#3.26 147.4,47.9 147.95,47.35 148.7,47.35 149.17,46.88 v1(149.17,46.6)
Board_11-Net-(J1-Pin_27): length 4.6
  Top w0.15: 147.86,46.61 v1(147.84,46.63)
  Top w0.2: C12#12.2 147.86,46.61
  Bottom w0.2: J1#3.27 146.7,47.75 147.82,46.63 v1(147.84,46.63)
Board_11-Net-(J1-Pin_28): length 4.3
  Top w0.15: 146.31,46.57 v1(146.3,46.58)
  Top w0.2: C13#3.2 146.31,46.57
  Bottom w0.2: J1#3.28 146,47.65 146.35,47.3 146.35,46.63 v1(146.3,46.58)
Board_11-Net-(SW5-A): length 6.7
  Top w0.25: U101#10.1 U101#10.10 141.62,45.86 C1#6.1 141.62,49.08 142.4,49.85 SW5#7.3
Board_11-Net-(U101-FB): length 4.4
  Top w0.25: R6#6.2 139.22,42.16 ; 139.22,42.16 139.1,42.28 139.1,44 139.43,44.33 U101#10.4 ; 139.22,42.16 138.47,42.16 R4#7.1
Board_11-Net-(U101-L1): length 2.6
  Top w0.25: L102.1 142.7,45.65 142.38,45.33 U101#10.9
Board_11-Net-(U101-L2): length 2.6
  Top w0.25: L102.2 142.57,44.05 142.57,44.05 142.3,44.33 U101#10.7

## Copper pours and planes (outline as drawn; the poured copper is in the pictures)
(no net) on Top: 0.5,156.5 3.38,156.5 4.88,155 4.88,154 8.88,154 8.88,155 10.37,156.5 32.13,156.5 33.62,155 33.62,154 37.62,154 37.62,155 39.12,156.5 47.88,156.5 49.38,155 49.38,154 53.38,154 53.38,155 54.87,156.5 76.63,156.5 78.12,155 78.12,154 82.12,154 82.12,155 83.62,156.5 92.38,156.5 93.88,155 93.88,154 97.88,154 97.88,155 99.37,156.5 121.13,156.5 122.62,155 122.62,154 126.62,154 126.62,155 128.12,156.5 136.88,156.5 138.38,155 138.38,154 142.38,154 142.38,155 143.87,156.5 165.63,156.5 167.12,155 167.12,154 171.12,154 171.12,155 172.62,156.5 175.5,156.5 175.5,160.5 0.5,160.5
(no net) on Top: 4.88,6 3.38,4.5 0.5,4.5 0.5,0.5 175.5,0.5 175.5,4.5 172.62,4.5 171.12,6 171.12,7 167.12,7 167.12,6 165.63,4.5 143.87,4.5 142.38,6 142.38,7 138.38,7 138.38,6 136.88,4.5 128.12,4.5 126.62,6 126.62,7 122.62,7 122.62,6 121.13,4.5 99.37,4.5 97.88,6 97.88,7 93.88,7 93.88,6 92.38,4.5 83.62,4.5 82.12,6 82.12,7 78.12,7 78.12,6 76.63,4.5 54.87,4.5 53.38,6 53.38,7 49.38,7 49.38,6 47.88,4.5 39.12,4.5 37.62,6 37.62,7 33.62,7 33.62,6 32.13,4.5 10.37,4.5 8.88,6 8.88,7 4.88,7
(no net) on Bottom: 0.5,156.5 3.38,156.5 4.88,155 4.88,154 8.88,154 8.88,155 10.37,156.5 32.13,156.5 33.62,155 33.62,154 37.62,154 37.62,155 39.12,156.5 47.88,156.5 49.38,155 49.38,154 53.38,154 53.38,155 54.87,156.5 76.63,156.5 78.12,155 78.12,154 82.12,154 82.12,155 83.62,156.5 92.38,156.5 93.88,155 93.88,154 97.88,154 97.88,155 99.37,156.5 121.13,156.5 122.62,155 122.62,154 126.62,154 126.62,155 128.12,156.5 136.88,156.5 138.38,155 138.38,154 142.38,154 142.38,155 143.87,156.5 165.63,156.5 167.12,155 167.12,154 171.12,154 171.12,155 172.62,156.5 175.5,156.5 175.5,160.5 0.5,160.5
(no net) on Bottom: 4.88,6 3.38,4.5 0.5,4.5 0.5,0.5 175.5,0.5 175.5,4.5 172.62,4.5 171.12,6 171.12,7 167.12,7 167.12,6 165.63,4.5 143.87,4.5 142.38,6 142.38,7 138.38,7 138.38,6 136.88,4.5 128.12,4.5 126.62,6 126.62,7 122.62,7 122.62,6 121.13,4.5 99.37,4.5 97.88,6 97.88,7 93.88,7 93.88,6 92.38,4.5 83.62,4.5 82.12,6 82.12,7 78.12,7 78.12,6 76.63,4.5 54.87,4.5 53.38,6 53.38,7 49.38,7 49.38,6 47.88,4.5 39.12,4.5 37.62,6 37.62,7 33.62,7 33.62,6 32.13,4.5 10.37,4.5 8.88,6 8.88,7 4.88,7
Board_0-GND on Top, Bottom: 0,106 42.5,106 42.5,153.01 28.26,153.01 27.76,152.51 14.73,152.51 14.24,153 0,153
Board_1-GND on Top, Bottom: 44.5,106 87,106 87,153.01 72.76,153.01 72.26,152.51 59.23,152.51 58.74,153 44.5,153
Board_2-GND on Top, Bottom: 89,106 131.5,106 131.5,153.01 117.26,153.01 116.76,152.51 103.73,152.51 103.24,153 89,153
Board_3-GND on Top, Bottom: 133.5,106 176,106 176,153.01 161.76,153.01 161.26,152.51 148.23,152.51 147.74,153 133.5,153
Board_4-GND on Top, Bottom: 0,57 42.5,57 42.5,104.01 28.26,104.01 27.76,103.51 14.73,103.51 14.24,104 0,104
Board_5-GND on Top, Bottom: 44.5,57 87,57 87,104.01 72.76,104.01 72.26,103.51 59.23,103.51 58.74,104 44.5,104
Board_6-GND on Top, Bottom: 89,57 131.5,57 131.5,104.01 117.26,104.01 116.76,103.51 103.73,103.51 103.24,104 89,104
Board_7-GND on Top, Bottom: 133.5,57 176,57 176,104.01 161.76,104.01 161.26,103.51 148.23,103.51 147.74,104 133.5,104
Board_8-GND on Top, Bottom: 0,8 42.5,8 42.5,55.01 28.26,55.01 27.76,54.51 14.73,54.51 14.24,55 0,55
Board_9-GND on Top, Bottom: 44.5,8 87,8 87,55.01 72.76,55.01 72.26,54.51 59.23,54.51 58.74,55 44.5,55
Board_10-GND on Top, Bottom: 89,8 131.5,8 131.5,55.01 117.26,55.01 116.76,54.51 103.73,54.51 103.24,55 89,55
Board_11-GND on Top, Bottom: 133.5,8 176,8 176,55.01 161.76,55.01 161.26,54.51 148.23,54.51 147.74,55 133.5,55

## Text on the board
B.Silkscreen: Afonso Muralha 2k26 | JLCJLCJLCJLC
F.Silkscreen: BONGO CAT FIDGET TOY 2k26 | AFONSOMURALHA.COM
User.1: V-CUT
